# Allegro board RK3588S_Template_LP5D315P232SD10H2_42x42_2750MHz_1R2_V10_20220413YWQ.brd (continued)
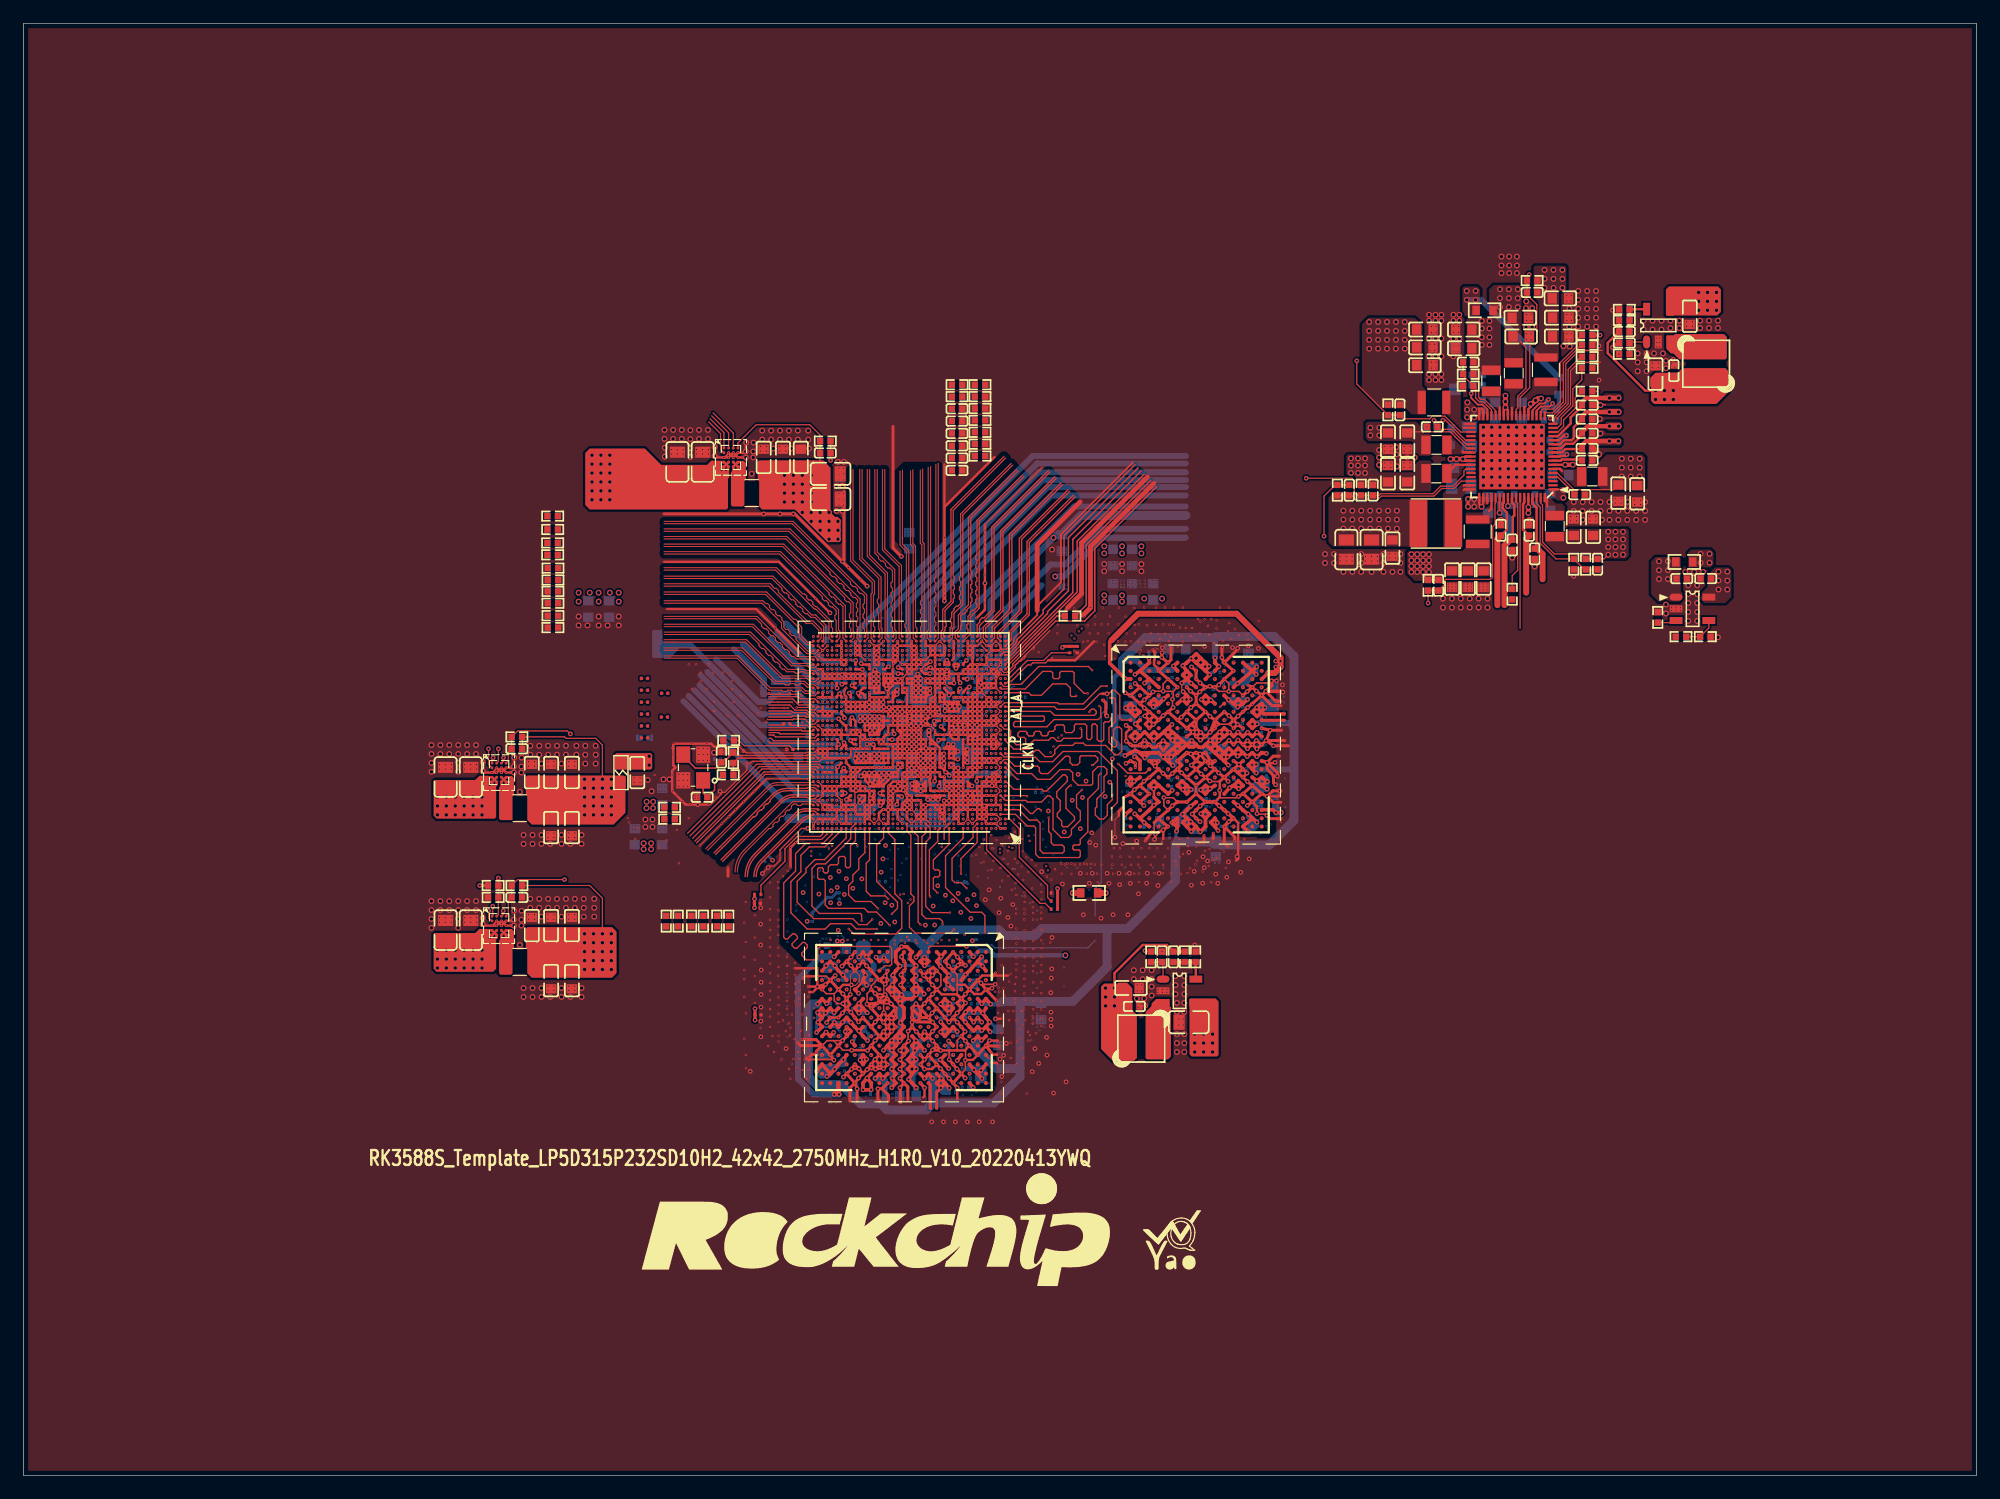
[diagram p0: board, top side]
## Routing (per net, layer and track width the routed paths; a pad name or vN(x,y) marks a point on that pad's centre or on a via; arc(x,y) is an arc through that point) (continued)
84.76,50.56 85.46,49.86 85.46,49.82 ; 75.93,38.78 76.04,38.89 ; 97.3,70.38 v1(97.3,70.31) 97.32,70.29 97.36,70.29 97.43,70.22 ; 97.3,70.38 97.3,70.43 97.25,70.48 ; 102.48,66.86 102.71,66.86 102.78,66.8 ; 69.21,36.73 69.01,36.53 68.82,36.53 68.56,36.79 67.9,36.79 67.86,36.83 ; 102.36,74.09 102.57,74.31 ; 102.36,74.09 102.3,74.03 99.29,74.03 ; 64.57,51 64.41,50.84 ; 64.57,51 64.63,50.95 ; 64.41,50.84 64.53,50.84 ; 87.53,62.15 87.34,62.15 v8(87.3,62.11) 87.21,62.01 ; 87.53,62.15 87.96,62.57 ; 87.53,62.15 87.4,62.01 87.21,62.01 ; v3(86.26,48.07) 86.26,47.97 86.17,47.88 ; v3(86.26,48.07) 86.26,49.97 ; v3(86.26,48.07) 86.36,47.98 86.36,49.99 ; 67.77,36.26 68.34,36.26 68.56,36.04 ; 67.77,36.26 67.77,36.01 v1(67.75,35.99) ; 65.32,50.59 65.32,47.56 v8(65.26,47.5) 65.31,47.45 65.31,39.96 v3(65.24,39.89) 65.17,39.96 65.17,50.43 65.32,50.59 ; 86.17,50.06 86.17,47.88 ; 86.17,50.06 86.26,49.97 ; 64.53,50.84 64.54,50.86 ; 64.53,50.84 64.49,50.81 64.49,50.77 ; 64.54,50.86 64.54,50.91 64.59,50.95 64.63,50.95 ; 63.8,38.4 63.87,38.4 ; 63.87,38.4 63.87,38.39 63.94,38.33 ; 63.87,38.4 63.87,47.41 ; 102.5,71.51 102.34,71.67 ; 102.34,71.67 102.29,71.73 102.26,71.73 ; 102.34,71.67 102.31,71.67 ; 74.92,47.25 74.49,47.25 v1(74.45,47.3) ; 74.92,47.25 74.92,46.94 74.8,46.82 74.8,46.75 ; 74.92,47.25 74.92,47.98 74.84,48.06 74.69,48.06 74.37,48.38 74.37,48.57 v1(74.2,48.74) ; 104.54,68.45 104.54,68.55 ; 104.54,68.55 104.54,68.88 ; v3(100.15,52.22) 100.78,52.85 v1(100.78,52.88) ; v3(100.15,52.22) 100.15,51.75 v1(100.03,51.63) 100.03,51.43 99.95,51.36 ; v3(100.15,52.22) 99.87,52.22 ; 63.94,38.33 64.04,38.23 ; 63.94,38.33 63.94,38.28 ; 64.04,38.23 63.86,38.23 63.85,38.22 ; 84.99,54.61 84.21,55.39 ; 84.99,54.61 85.45,54.14 ; 84.99,54.61 85.04,54.66 84.95,54.75 84.95,54.76 ; 95.03,71.9 96.72,71.9 96.75,71.87 ; 95.03,71.9 94.96,71.97 ; 66.4,42.12 66.4,40.35 ; 66.4,42.12 v3(66.3,42.22) ; 96.11,68.32 95.08,69.35 95.08,69.63 94.91,69.81 ; 96.11,68.32 96.11,68.22 v8(96.07,68.18) ; 97.36,54.18 97.39,54.18 ; 99.17,74.15 99.23,74.09 ; 99.23,74.09 99.29,74.03 ; 92.05,54.12 92.05,53.59 92.05,53.25 92.31,52.99 ; 99.24,60.1 99.13,60.1 ; 99.24,60.1 99.43,60.1 99.61,60.28 99.61,60.52 v1(99.79,60.7) 99.78,60.61 ; 99.24,60.1 98.74,60.61 ; 99.13,60.1 98.74,60.49 98.74,60.61 ; 99.13,60.1 99.03,60.1 v1(98.96,60.03) ; 81.81,54.58 81.81,54.68 ; 81.81,54.68 81.81,55.04 81.65,55.19 81.65,55.21 ; 81.81,54.68 82.93,53.55 82.93,53.46 ; 76.09,38.89 76.04,38.89 ; 99.95,51.36 99.58,51.36 ; 84.9,52.5 84.96,52.5 v3(86.96,50.5) 86.93,50.47 ; 84.9,52.5 84.9,52.59 84.6,52.89 ; 95.16,61.68 95.27,61.57 ; 95.16,61.68 94.99,61.86 93.35,61.86 93.1,62.11 88.66,62.11 ; 102.87,73.9 102.87,74.09 ; 102.87,73.9 102.77,73.99 ; 102.87,73.9 104.01,72.75 ; 102.87,74.09 102.92,74.09 v3(103,74.17) ; 102.87,74.09 102.77,73.99 ; 83.68,52.7 83.78,52.7 86.07,50.42 ; 98.43,61.88 97.84,61.88 97.82,61.89 ; 98.43,61.88 98.62,61.88 ; 68.38,46.21 68.38,45.73 68.44,45.66 69.04,45.66 ; v4(73.58,44.99) 73.52,45.07 ; v8(99.4,62.89) 99.4,62.84 99.44,62.79 99.44,62.7 99.68,62.45 99.93,62.45 ; 67.32,46.23 67.32,46.78 67.69,47.16 69.3,47.16 69.46,47 ; 97.11,72.02 96.86,72.02 ; 97.11,72.02 97.62,72.02 ; 97.11,72.02 96.99,71.9 ; 96.86,72.02 95.02,72.02 ; 96.86,72.02 96.99,71.9 ; 101.51,55.03 v3(101.66,54.88) 101.51,54.72 ; 101.51,55.03 101.51,54.72 ; 101.51,55.03 101.51,56.91 101.94,57.35 102.05,57.35 v1(102.17,57.23) 102.21,57.27 102.53,57.27 102.55,57.24 102.67,57.24 102.68,57.23 ; 86.89,48.21 86.91,48.23 86.93,48.23 ; 86.89,48.21 86.89,47.97 ; 86.89,48.21 86.89,50.35 ; 98.32,72.55 98.31,72.56 98.14,72.56 ; 98.32,72.55 98.69,72.19 ; 98.32,72.55 98.32,72.64 v3(98.27,72.69) ; 103.95,71.91 103.95,72.06 103.6,72.41 ; 84.2,54.64 83.83,54.64 83.33,55.15 83.33,55.46 83.1,55.68 83.1,55.7 ; 84.2,54.64 88.02,50.82 87.95,50.82 ; 84.2,54.64 84.2,54.59 ; 95.92,54.19 95.82,54.3 ; 92.81,63.54 93.15,63.19 v4(93.15,62.92) ; 85.87,37.88 85.87,37.63 ; 85.87,37.63 85.86,37.63 85.73,37.76 85.73,37.82 v3(85.83,37.92) ; 85.87,37.63 85.87,37.24 ; 86.49,71.41 86.7,71.62 ; 86.49,71.41 86.43,71.36 86.42,71.36 ; 86.49,71.41 83.53,68.45 83.52,68.45 84.53,69.46 86.42,71.36 ; 88.1,62.75 88.02,62.75 ; 88.1,62.75 89.19,62.75 89.24,62.8 ; 97.11,57.17 97.11,57.46 96.75,57.82 96.75,58.36 96.88,58.48 97.09,58.48 97.09,58.47 97.1,58.47 97.43,58.14 v1(97.43,57.93) 97.75,57.93 98.16,57.52 98.16,57.26 ; 97.11,57.17 97.07,57.13 ; 79.21,45.86 79.21,45.84 v3(79.11,45.74) ; 97.18,56.18 97.17,56.17 ; 97.18,56.18 97.18,56.09 ; 91.55,63.56 91.48,63.49 89.56,63.49 ; 91.55,63.56 91.48,63.56 ; 89.62,56.84 89.44,56.84 ; 89.62,56.84 v8(89.41,57.05) 89.23,57.05 ; 69.44,56.49 69.21,56.26 69.19,56.26 ; 91.43,62.64 91.55,62.64 ; 91.43,62.64 91.49,62.7 ; 73.5,42.07 73.58,41.99 v1(73.63,41.99) 73.63,41.97 73.57,41.91 73.57,41.15 v1(73.63,41.09) 73.6,41.06 73.6,40.87 ; 73.5,42.07 73.5,40.98 73.6,40.87 ; 82.69,54.88 82.65,54.88 ; 82.69,54.88 82.39,55.17 ; 75.56,46.1 75.56,46 75.51,45.94 ; 97.2,56.72 97.2,56.92 ; 97.2,56.72 97.2,56.43 v8(97.23,56.39) ; 81.11,54.37 81.11,55.68 v3(80.69,56.1) ; 69.89,46.36 69.51,46.36 69.46,46.41 69.46,46.56 ; 97.69,62.54 97.62,62.61 97.62,62.69 ; 97.69,62.54 97.93,62.54 98.04,62.43 98.25,62.43 98.69,62.87 ; 82.65,54.88 82.71,54.81 82.71,54.77 ; 82.65,54.88 82.39,55.14 ; 104.32,69.19 104.32,69.1 104.39,69.03 ; 83.02,40.71 v3(83.15,40.57) 83.15,40.57 ; 83.02,40.71 81.2,40.71 80.68,41.23 80.57,41.23 v1(80.49,41.14) 80.35,41.28 80.02,41.28 v8(79.8,41.5) 79.8,41.77 v4(79.75,41.83) 79.61,41.83 79.27,42.16 79.27,42.29 ; 83.02,40.71 83.12,40.71 83.26,40.57 ; 97.25,70.48 97.09,70.64 97.09,70.94 ; 79.54,42.56 79.54,42.84 79.05,43.33 v1(79.05,43.53) ; 79.54,42.56 79.44,42.56 79.27,42.39 79.27,42.29 ; 83.85,36.01 83.9,36.07 84.69,36.07 85.87,37.24 ; 83.85,36.01 v1(83.74,35.91) 83.73,35.91 83.63,36.01 ; 83.85,36.01 83.63,36.01 ; 75.45,50.11 v8(75.42,50.08) 75.45,50.05 ; 75.45,50.11 75.45,50.05 ; 67.67,51.71 67.41,51.71 v8(67.34,51.64) 67.29,51.59 67.29,51.33 ; 67.67,51.71 68.01,52.05 ; 67.67,51.71 67.29,51.33 ; 75.45,54.6 v8(75.44,54.61) 75.45,54.62 ; 75.45,54.6 75.45,54.62 ; v8(66.68,50.97) 66.7,50.95 66.9,50.95 ; 87.05,50.35 86.93,50.47 ; 87.05,50.35 87.05,47.83 ; 87.05,50.35 87.05,50.52 ; 86.93,50.47 86.93,50.31 ; 101.51,54.72 101.51,53.85 ; 87.58,37.96 87.58,37.95 84.25,34.62 ; v4(97.57,54.7) 97.72,54.55 98,54.55 ; v8(92.56,66.1) 92.41,66.25 v3(92.24,66.25) ; 99.12,55.87 99.2,55.87 v1(99.86,56.52) ; 99.12,55.87 98.04,56.95 98.04,57.11 v1(98.16,57.23) 98.16,57.26 ; 96.15,71.37 91.8,71.37 ; v3(98.03,51.44) 98.15,51.56 ; v3(98.03,51.44) 97.94,51.36 ; 68.56,36.04 68.6,36 68.82,36 ; 88.71,72.69 88.65,72.69 ; 88.71,72.69 88.81,72.79 ; 88.71,72.69 88.9,72.69 88.9,72.69 ; 88.65,72.69 88.74,72.79 ; 88.65,72.69 88.6,72.69 ; 87.05,38.25 87.05,47.83 ; 98.12,71.41 98.33,71.61 98.33,71.79 98.1,72.02 97.62,72.02 ; 98.12,71.41 98.12,71.6 v3(98.05,71.67) ; 85.46,49.75 85.46,49.82 ; 85.46,49.75 85.52,49.81 ; v4(77.47,61.93) 77.75,61.93 v8(77.77,61.9) ; 81.68,42.3 81.79,42.42 ; 81.68,42.3 81.79,42.19 ; 81.79,42.42 81.79,42.19 ; 103.1,72.9 103.6,72.41 ; 103.1,72.9 103.03,72.83 v3(103.03,72.83) ; 103.6,72.41 103.51,72.31 v3(103.51,72.3) ; 91.86,55.91 91.72,56.04 ; 91.86,55.91 91.74,55.91 v8(91.72,55.93) 91.72,56.04 ; v8(70.92,65.56) 70.91,65.56 v4(70.79,65.99) ; 99.4,54.39 99.4,52.94 ; v8(86.32,53.5) 86.28,53.5 86.19,53.41 ; 98.02,67.84 98.02,68.18 98.05,68.22 ; 84.13,68.19 84.13,68 83.98,67.85 83.34,67.85 ; 84.13,68.19 84.13,68.3 87.2,71.37 87.29,71.37 85.55,69.62 85.55,69.55 85.47,69.55 85.07,69.15 85.07,69.12 85.06,69.12 84.13,68.19 ; 71.27,36.03 71.27,35.83 71.13,35.69 70.93,35.69 ; 93.16,70.51 93.05,70.51 ; 93.16,70.51 93.08,70.44 ; 93.16,70.51 93.19,70.51 ; 93.05,70.51 93.05,70.57 93.11,70.63 ; 93.05,70.51 93.12,70.44 93.18,70.44 93.17,70.44 93.08,70.44 ; 67.75,42.61 67.62,42.61 66.95,41.94 66.95,41.71 ; 67.75,42.61 67.8,42.66 v3(67.82,42.66) 67.9,42.66 67.95,42.61 ; 67.75,42.61 67.95,42.61 ; 83.95,39.92 83.9,39.97 83.9,40.34 ; 97.72,53.52 97.56,53.52 ; 97.72,53.52 97.78,53.59 v3(97.79,53.59) ; 97.72,53.52 97.75,53.52 97.88,53.65 97.86,53.65 v3(97.79,53.59) ; 97.56,53.52 97.65,53.62 97.76,53.62 v3(97.79,53.59) ; 100.28,73.27 100.28,73.42 ; 88.74,72.79 88.69,72.79 ; 88.74,72.79 88.81,72.79 ; 97.39,54.18 97.39,54.3 v8(97.41,54.32) ; 100.52,60.95 v8(100.27,60.69) ; 98.15,54.55 v8(98.08,54.55) 98,54.55 ; 98.15,54.55 v4(98.56,54.14) ; 95.02,51.49 94.96,51.49 ; 95.02,51.49 95.02,51.54 94.95,51.6 94.89,51.6 ; 85.45,54.14 86.19,53.41 ; 85.45,54.14 85.48,54.16 85.48,54.27 v3(85.35,54.4) ; 86.89,47.97 86.91,47.95 86.93,47.95 ; 73.6,40.87 73.78,40.7 73.78,40.29 73.85,40.22 74.02,40.22 74.11,40.31 ; 67.48,38.14 67.48,40 ; 67.48,38.14 67.48,38.11 ; 67.48,40 67.5,39.98 ; 67.48,40 67.48,40.44 67.81,40.77 68.07,40.77 ; 69.75,42.06 69.75,42.03 69.56,41.84 ; 69.75,42.06 69.88,42.19 ; 69.75,42.06 69.47,42.06 ; 104.5,69.02 104.5,69.64 ; 104.5,69.02 104.54,68.97 ; 104.5,69.02 104.5,69.01 104.54,68.97 104.54,68.97 ; 81.52,53.8 81.56,53.8 ; 82.32,55.67 82.32,55.68 82.31,55.7 ; 68.29,53.56 68.42,53.56 v8(68.48,53.62) 68.57,53.71 68.57,53.84 ; 68.29,53.56 68.57,53.84 ; 74.11,40.31 74.11,40.05 74.11,40.05 74.11,39.85 74.11,39.85 74.11,39.79 74.02,39.7 ; 89.24,62.8 88.05,62.8 88,62.75 ; 89.24,62.8 89.33,62.89 ; 90.82,71.9 90.55,71.9 ; 90.82,71.9 90.94,72.02 ; 104.39,68.4 v8(104.39,68.25) ; 69.46,47 69.46,46.71 ; 70.29,54.5 v8(70.13,54.34) ; 70.29,54.5 70.29,54.52 ; v8(70.13,54.34) 69.98,54.49 ; 87.58,38 87.58,50.6 ; 87.58,50.6 87.82,50.84 v3(87.82,50.92) 87.85,50.92 87.95,50.82 ; 87.58,50.6 87.58,50.74 86.72,51.6 ; 104.39,67.76 104.39,67.68 104.62,67.45 ; 82.71,36.07 81.8,36.07 ; 82.71,36.07 v3(82.81,35.97) 82.81,35.97 82.91,36.07 ; 82.71,36.07 82.91,36.07 ; 81.8,36.07 81.74,36.01 81.74,36.01 ; 81.8,36.07 81.02,36.07 ; 75.89,39.03 76.04,38.89 ; 75.89,39.03 75.8,39.03 ; 83.71,53.61 82.35,54.97 ; 83.71,53.61 84.87,52.45 ; 83.71,53.61 83.71,53.53 84.8,52.44 ; 82.35,54.97 82.35,55.2 82.35,55.2 82.35,55.34 ; 104.48,70.22 v4(104.72,69.99) 104.64,69.99 104.48,69.83 ; 104.48,70.22 104.48,69.83 ; 79.43,62.02 79.49,62.02 79.77,62.3 79.84,62.3 79.84,62.35 79.89,62.35 ; 69.88,42.4 69.93,42.35 70.05,42.35 ; 69.88,42.4 69.88,42.43 69.74,42.57 69.71,42.57 69.6,42.67 ; 69.88,42.4 69.88,42.19 ; 68.3,55.65 68.3,55.65 ; 70.05,42.35 70.05,42.35 70.04,42.35 69.88,42.19 ; 101.01,57.38 100.97,57.34 100.97,55.83 ; 101.01,57.38 101.18,57.55 ; 101.01,57.38 101.01,57.52 100.97,57.55 ; 67.18,52.45 67.33,52.6 ; 67.18,52.45 67.06,52.33 ; 67.33,52.6 67.69,52.96 ; 66.4,40.35 v3(66.31,40.25) ; 84.2,54.59 87.03,51.75 ; 84.2,54.59 v3(84.2,54.5) ; 66.45,37.51 66.84,37.51 ; 100.97,61.76 100.97,61.7 ; 67.27,53.59 67.32,53.65 ; 67.27,53.59 67.4,53.59 ; v3(96.77,72.69) 96.91,72.55 ; v3(96.77,72.69) 96.87,72.79 ; v3(96.77,72.69) 96.67,72.79 ; v3(96.89,69.02) 96.83,68.96 96.83,68.78 97.02,68.59 ; v3(96.89,69.02) 96.96,69.02 97.04,68.95 ; v3(96.89,69.02) 96.89,69.05 96.82,69.12 96.73,69.12 ; 93.93,73.5 94.14,73.5 ; 93.93,73.5 87.44,73.5 ; 93.93,73.5 94.04,73.39 ; 94.14,73.5 100.2,73.5 ; 86.07,50.42 86.36,50.12 86.36,49.99 ; 86.65,52.95 87.02,52.58 87.25,52.58 88.47,51.36 88.62,51.36 ; 86.65,52.95 86.19,53.41 ; 87.9,52.9 88.34,52.46 88.38,52.46 88.38,52.42 88.65,52.15 88.66,52.15 88.67,52.14 89.02,52.14 89.03,52.15 ; 87.9,52.9 86.11,54.69 86.11,54.76 85.96,54.91 85.89,54.91 84.31,56.49 ; 87.9,52.9 87.84,52.96 87.84,53 ; 84.6,52.89 84.6,52.96 84.57,52.99 ; 88.41,72.69 88.48,72.69 ; 88.48,72.69 88.55,72.69 ; 88.48,72.69 88.57,72.79 ; 72.94,41.04 72.92,41.02 72.92,40.82 73.22,40.52 73.22,40.36 73.11,40.24 73.08,40.24 ; 88.94,56.58 88.92,56.55 v8(88.92,56.5) ; 88.94,56.58 88.85,56.58 87.88,57.54 87.88,57.73 87.14,58.47 83.73,58.47 83.56,58.64 83.4,58.64 83.35,58.69 83.33,58.69 ; 86.93,48.23 86.93,48.13 v3(86.97,48.09) 86.93,48.05 86.93,47.95 ; 86.93,48.23 86.93,50.31 ; 75.51,45.94 75.51,45.9 75.43,45.82 75.2,45.82 ; 83.9,40.34 83.9,40.74 83.8,40.84 ; 103.37,69.08 103.37,68.77 ; 103.37,68.77 103.32,68.72 103.32,68.64 103.3,68.63 103.3,68.47 103.1,68.26 103.1,67.94 103.17,67.87 ; 103.37,68.77 v3(103.38,68.78) ; 82.71,54.77 82.71,54.72 ; 68.57,53.84 69.01,54.27 ; 97.04,68.95 97.04,69.18 ; 94.96,71.97 95.02,72.02 ; 94.96,71.97 94.91,72.02 ; 63.53,36.96 63.21,37.27 ; 67.5,39.98 v3(67.56,39.93) 67.5,39.87 ; 67.5,39.98 67.5,39.87 ; 67.48,38.11 67.5,38.13 67.5,39.87 ; 104.48,68.54 104.49,68.55 104.49,68.62 104.48,68.64 ; 104.48,68.54 104.48,68.64 ; 66.27,50.32 65.94,50.32 v8(65.91,50.29) 65.95,50.25 ; 66.27,50.32 66.54,50.59 v8(66.55,50.59) ; v1(95.74,57.24) 95.78,57.24 96.05,56.98 ; 69.04,45.66 69.04,45.66 69.2,45.5 ; 86.26,49.97 86.26,50.04 86.14,50.16 ; 73.63,39.7 73.55,39.63 73.55,39.56 ; 73.63,39.7 74.02,39.7 ; 73.63,39.7 73.62,39.7 73.5,39.58 73.55,39.53 ; 73.55,39.56 v1(73.52,39.56) 73.46,39.63 73.09,39.63 72.91,39.81 72.91,40.05 73.08,40.21 73.08,40.24 ; 73.55,39.56 73.55,39.53 ; 81.56,53.8 81.6,53.8 ; 97.09,70.94 97,70.94 96.69,70.63 93.11,70.63 ; 89.29,53.23 89.39,53.34 89.5,53.23 ; 89.29,53.23 88.51,53.23 ; 89.29,53.23 89.5,53.23 ; 97.62,72.02 v3(97.53,71.93) ; 87.11,73.39 86.81,73.39 ; 87.11,73.39 87.12,73.41 ; 104.48,71.05 104.48,71.12 ; 79.27,42.29 78.68,42.29 v8(78.54,42.16) ; 71.12,45.65 70.82,45.65 ; 71.12,45.65 71.02,45.75 ; 88.79,51.36 91.65,51.36 ; 88.79,51.36 88.62,51.36 ; v8(88.55,62) 88.63,62.08 ; 88.63,62.08 88.66,62.11 ; v3(91.73,51.44) 91.65,51.36 ; v3(91.73,51.44) 91.78,51.49 94.96,51.49 ; v3(91.73,51.44) 91.82,51.36 ; 69.09,56.04 v3(69.09,55.7) ; 95.82,54.3 95.82,54.24 v3(95.84,54.22) ; 94.99,72.79 96.67,72.79 ; 86.72,51.6 v1(86.99,51.6) ; 86.72,51.6 84.96,53.35 84.96,53.59 84.33,54.23 84.09,54.23 83.3,55.01 83.3,55.11 83.31,55.12 ; 63.87,51.16 67.69,54.98 67.7,54.98 ; 63.87,51.16 63.84,51.12 ; 63.87,51.16 63.87,47.41 ; 64.49,50.77 64.5,50.77 ; 64.49,50.77 v3(64.49,50.71) ; v1(74.2,48.74) 74.15,48.69 ; 77.16,38.09 77.49,38.09 77.59,37.99 ; 77.16,38.09 77.15,38.09 76.99,37.93 ; 77.16,38.09 v1(77,37.93) 76.99,37.93 ; 70.82,45.65 70.77,45.65 ; 63.94,38.22 63.85,38.22 ; 63.94,38.22 63.94,38.28 ; 63.94,38.22 63.94,37.73 64,37.67 ; 63.85,38.22 63.8,38.17 ; 96.49,55.12 96.73,55.36 ; 94.8,53.59 94.96,53.76 ; 94.8,53.59 95.8,53.59 ; 104.05,68.37 v4(103.83,68.37) 103.84,68.37 103.84,68.38 104.04,68.38 104.05,68.37 ; 104.05,68.37 104.28,68.37 ; 104.48,71.28 104.48,71.12 ; 104.48,71.28 104.48,71.48 ; 104.5,69.64 v8(104.51,69.65) 104.54,69.62 104.54,68.97 ; 69.6,42.93 69.6,43.16 69.98,43.54 70,43.54 ; 69.6,42.93 69.6,42.67 ; v3(78.69,70.1) 78.59,70 78.59,69.78 78.57,69.77 78.57,69.42 v8(78.69,69.3) ; v3(70.29,56.48) 70.29,56.48 70.29,54.81 ; 89.63,63.59 89.63,63.57 ; 84.2,55.85 84.54,55.51 85.06,54.98 85.06,54.98 85.32,54.72 85.32,54.59 ; 73.08,40.24 73.02,40.3 73.02,40.37 v3(73.01,40.38) ; 92.31,52.99 95.14,52.99 ; v3(83.49,69.3) 83.49,69.32 ; 83.49,69.32 83.23,69.06 82.53,69.06 ; v8(96.13,56.72) v4(96.45,56.72) 96.52,56.72 96.73,56.93 ; v8(96.13,56.72) 96.08,56.77 96.08,56.82 96.05,56.86 96.05,56.98 ; 67.86,36.83 v4(67.86,36.97) ; 66.67,50.72 66.9,50.95 ; 66.9,50.95 67.29,51.33 ; 86.17,47.88 86.17,39.24 v3(86.28,39.13) ; 68.75,56.04 68.71,56.08 ; 86.93,47.95 87.05,47.83 ; v3(82.29,69.3) 82.53,69.06 ; 67.82,53.09 67.69,52.96 ; 67.92,43.25 v3(67.82,43.35) 67.73,43.25 ; 67.92,43.25 67.73,43.25 ; 102.68,57.23 102.69,57.24 102.92,57.24 103.08,57.41 103.08,57.66 103.11,57.69 103.11,57.77 103.14,57.8 103.14,57.81 ; 97.07,57.13 97.2,57 97.2,56.92 ; 97.07,57.13 96.93,57.13 96.73,56.93 ; 96.44,60.29 96.52,60.38 96.52,60.88 ; 84.25,34.62 84.16,34.53 v3(84.12,34.53) ; 93.11,70.63 93.03,70.63 92.96,70.55 92.96,70.5 93.02,70.44 ; v3(63.8,38.34) 63.86,38.28 63.94,38.28 ; 94.5,59.69 94.39,59.79 94.19,59.99 ; 94.5,59.69 94.26,59.69 v3(94.17,59.77) 94.19,59.79 94.19,59.99 ; v3(63.8,47.49) 63.75,47.54 63.75,51.03 63.84,51.12 ; v3(63.8,47.49) 63.87,47.41 ; 76.13,48.61 v8(76.11,48.59) ; 77.52,38.57 77.49,38.6 ; 77.49,38.6 77.3,38.6 77.3,38.81 77.11,39 77.07,39.04 76.54,39.57 76.39,39.57 76.03,39.57 75.95,39.64 ; 77.49,38.6 77.55,38.6 77.59,38.64 ; 96.97,71.65 96.97,71.82 96.89,71.9 96.99,71.9 ; 96.97,71.65 96.75,71.87 ; 95.14,52.99 v3(95.27,52.86) ; 100.34,64.21 100.72,63.82 100.72,63.65 100.7,63.62 ; 98.87,72 98.69,72.19 ; 98.87,72 98.87,71.46 ; 98.87,72 98.87,72.05 99,72.19 ; 98.69,72.19 99,72.19 ; v1(81.22,49.63) 81,49.63 80.65,49.27 v1(80.65,49.22) ; 91.65,51.36 91.82,51.36 ; 84.8,52.44 84.85,52.44 84.87,52.45 ; 104.62,67.26 104.62,67.02 v1(104.56,66.99) ; 104.62,67.26 104.62,67.32 ; 67.06,52.33 66.69,51.96 ; 66.69,51.96 66.55,51.82 ; 66.69,51.96 66.69,51.75 v8(66.62,51.69) ; 99,72.19 99,72.29 v3(98.84,72.46) ; 93.08,70.44 93.02,70.44 ; 96.95,61.9 97.05,62.01 97.71,62.01 97.82,61.89 ; 89.33,62.89 89.39,62.96 92.23,62.96 92.37,62.81 92.81,62.81 92.96,62.96 v4(93.15,62.92) ; 89.33,62.89 92.19,62.89 92.33,62.75 ; v4(72.45,60.76) 72.31,60.89 72.31,61.11 72.34,61.14 72.34,61.79 72.31,61.81 72.31,61.87 ; 104.18,53.93 104.14,53.89 104.14,53.88 100.97,50.71 v3(98.05,50.71) 95.3,50.71 v3(95.3,50.7) 95.29,50.71 91.83,50.71 91.82,50.7 v3(91.79,50.7) 88.43,50.7 88.36,50.76 88.26,50.76 ; 104.18,53.93 104.18,54.25 ; 83.97,53.42 83.92,53.47 ; 83.97,53.42 84.08,53.42 84.11,53.45 ; 83.92,53.47 82.71,54.68 82.71,54.72 ; 102.18,64.18 101.97,64.38 101.53,64.38 ; 85.53,49.94 85.63,49.84 85.63,49.72 ; 73.55,39.53 73.6,39.58 74.01,39.58 ; 70.82,35.6 v4(70.71,35.49) ; 70.82,35.6 70.91,35.69 70.93,35.69 70.93,35.69 ; v4(70.71,35.49) 70.57,35.53 70.57,35.53 ; 93.94,53.89 v1(93.94,54) ; 96.73,69.12 96.8,69.12 96.84,69.16 96.95,69.16 96.98,69.13 97.04,69.18 ; 101.33,73.5 100.36,73.5 ; 82.39,55.14 82.39,55.17 ; 82.39,55.14 82.39,55.01 ; 101.18,57.55 100.97,57.55 ; v8(80.01,62.36) 80.03,62.38 79.99,62.6 ; 87.05,50.52 84.57,52.99 ; 94.89,51.6 88.73,51.6 88.44,51.6 86.53,53.52 86.2,53.85 86.06,53.85 ; 94.89,51.6 94.93,51.56 ; 90.94,72.02 90.67,72.02 90.55,71.9 ; v4(67.55,56.02) 67.55,56.02 67.63,56.1 v3(67.89,56.1) ; 104.58,72.31 105.62,72.31 105.81,72.5 v4(105.81,72.63) ; 104.58,72.31 104.45,72.31 ; 104.58,72.31 104.52,72.25 ; 82.71,55.69 82.74,55.72 82.79,55.72 82.8,55.73 ; 104.62,67.32 104.62,67.38 ; 87.95,50.82 88,50.76 ; 75.45,54.62 75.45,55.8 75.51,55.86 75.51,49.58 75.45,49.53 ; 74.02,39.7 74.02,39.59 74.01,39.58 ; 98.16,57.26 98.14,57.28 ; 69.98,54.49 70.29,54.81 ; 69.98,54.49 70.01,54.52 70.29,54.52 ; 69.98,54.49 69.98,54.02 ; 70.29,54.81 70.29,54.52 ; v3(95.27,52.86) 95.34,52.79 ; 104.54,68.97 104.54,68.88 ; 95.02,72.02 94.91,72.02 ; 76.21,47.36 76.13,47.44 ; 76.21,47.36 v4(76.26,47.36) ; 102.26,71.73 102.12,71.73 102.05,71.65 102.05,71.61 ; 102.26,71.73 102.31,71.67 ; 88.6,72.69 88.69,72.79 ; 88.6,72.69 88.55,72.69 ; 88.69,72.79 88.64,72.79 ; 91.8,71.37 91.58,71.37 ; 82.55,35.26 82.47,35.26 ; 96.99,71.9 v3(96.97,71.89) 96.95,71.87 96.75,71.87 ; 104.38,56.05 104.51,56.05 104.64,55.92 ; 104.38,56.05 104.38,56.25 104.24,56.4 104.24,56.47 ; 95.42,70.05 95.65,70.05 v3(95.69,70.1) ; 66.73,35.55 v3(66.75,35.57) 66.76,35.56 66.76,35.44 ; 82.35,55.34 82.35,55.65 ; 65.49,37.73 65.03,38.2 ; v3(68.69,56.1) 68.85,56.26 69.19,56.26 ; 88.55,72.69 88.64,72.79 ; 89.23,57.05 89.23,57.12 87.38,58.98 84.29,58.98 84.12,59.15 83.35,59.15 v3(83.09,58.9) ; 89.23,57.05 89.44,56.84 ; 69.19,56.26 69.01,56.08 ; 104.48,71.55 104.48,71.48 ; 91.58,71.37 90.99,71.37 v3(90.93,71.3) ; 98,54.55 v8(97.78,54.32) ; 100.7,63.62 v1(100.58,63.51) ; 66.01,51.28 66.01,51.1 v8(65.94,51.03) ; 66.01,51.28 65.87,51.14 ; 66.01,51.28 66.39,51.66 ; v8(66.62,51.69) 66.55,51.77 66.55,51.82 ; v8(66.62,51.69) 66.6,51.66 66.39,51.66 ; 104.18,54.25 104.18,54.36 104.26,54.45 v3(104.32,54.39) ; 104.18,54.25 v3(104.32,54.39) ; v3(94.92,74.14) 94.96,74.09 ; 94.96,74.09 95.02,74.03 97.33,74.03 97.39,74.09 ; 64.72,38.51 64.72,38.48 65,38.2 65.03,38.2 ; 64.72,38.51 65.03,38.2 ; 76.13,47.44 76.06,47.51 76.06,47.61 ; 85.98,53.85 85.6,54.23 ; 76.06,47.61 76.06,55.88 ; 77.59,38.64 v1(77.69,38.74) 77.68,38.74 ; 91.55,62.64 91.49,62.7 ; 91.55,62.64 92.88,62.64 ; 100.36,73.5 100.28,73.42 ; 100.36,73.5 100.2,73.5 ; 63.79,37.45 65.8,35.44 66.76,35.44 ; 86.14,50.16 82.18,54.13 ; 75.45,50.05 75.45,49.53 ; 82.91,36.07 83.57,36.07 83.63,36.01 ; 103.31,67.81 103.4,67.9 103.47,67.9 103.61,68.04 103.61,68.11 103.81,68.32 ; 103.31,67.81 103.25,67.87 103.17,67.87 ; 103.31,67.81 103.33,67.79 103.33,67.71 ; 104.62,67.45 104.62,67.38 ; 104.62,67.45 104.62,67.52 ; 97.82,61.89 98.53,61.89 ; 80.37,35.82 80.37,35.92 80.61,36.17 80.92,36.17 81.02,36.07 ; 80.37,35.82 80.37,35.74 80.41,35.69 80.41,35.55 v1(80.47,35.49) ; 90.55,71.9 90.01,71.9 90,71.92 ; 97.39,74.09 97.27,74.09 v4(97.15,74.21) ; 69.56,41.84 v8(69.56,41.97) 69.47,42.06 ; 83.33,40.39 83.33,40.49 83.26,40.57 ; 83.33,40.39 83.15,40.57 ; 104.28,68.37 v8(104.39,68.25) ; 86.93,50.31 86.89,50.35 ; 104.45,72.31 104.01,72.75 ; 66.95,41.71 v3(67.04,41.8) ; 103.33,67.71 103.17,67.87 ; 82.55,62.5 82.36,62.32 81.68,62.32 v8(81.64,62.27) ; 72.48,46.36 73.51,46.36 v8(73.58,46.43) ; 72.48,46.36 71.89,46.36 v8(71.65,46.59) ; 101.83,71.4 101.83,71.25 v3(101.71,71.13) 101.21,71.13 v1(100.93,70.85) 100.81,70.97 100.81,71.13 ; 101.83,71.4 102.05,71.61 ; 85.25,51.98 86.89,50.35 ; 85.25,51.98 85.33,51.98 ; v4(80.4,62.5) 80.4,62.52 80.33,62.62 v8(80.37,62.81) ; 100.2,73.5 100.28,73.42 ; 98.18,72.79 v3(98.27,72.69) ; 98.18,72.79 96.87,72.79 ; 98.56,53.51 97.96,52.91 97.54,52.91 v3(97.52,52.89) 97.42,52.79 95.34,52.79 ; 98.56,53.51 98.56,53.89 98.32,54.13 98.32,54.35 ; 93.43,62.53 93.32,62.64 93.15,62.64 ; 82.39,55.01 82.41,55.01 v3(82.7,54.72) 82.71,54.72 ; 91.49,62.7 v8(91.48,62.71) ; v8(70.53,61.98) 70.53,61.53 v3(70.29,61.3) 70.29,61.35 ; 63.14,37.34 63.14,51.18 65.99,54.03 67.3,55.34 ; 68.82,36 69.25,36 69.42,36.17 69.71,36.17 69.88,36.01 ; 80.12,46.42 80.35,46.65 ; 89.03,52.15 89.05,52.14 89.86,52.14 ; 89.03,52.15 v3(88.97,52.21) ; 96.87,72.79 96.67,72.79 ; 93.15,62.64 92.88,62.64 ; 93.15,62.64 v4(93.15,62.92) ; 92.88,62.64 v4(93.15,62.92) ; 65.87,51.14 65.87,51.1 v8(65.94,51.03) ; 76.25,56.18 76.25,56.06 76.08,55.88 76.06,55.88 ; 97.43,70.22 97.44,70.21 97.44,69.67 97.04,69.27 97.04,69.18 ; 64.6,50.37 64.49,50.48 ; v3(81.89,66.9) 81.89,66.89 v3(82.29,66.5) ; 86.81,73.39 86.73,73.32 ; 88.64,72.79 88.57,72.79 ; 66.55,51.82 66.39,51.66 ; 87.26,73.32 87.39,73.32 ; 87.26,73.32 86.73,73.32 ; 99.37,62.94 98.81,62.94 98.79,62.95 ; 103.77,57.98 103.18,57.98 103.1,57.9 v4(103.1,57.84) ; v4(80.85,70.94) 80.98,70.82 80.98,70.22 v3(81.09,70.1) v3(81.09,69.7) ; 96.73,56.93 96.73,56.93 96.69,56.89 96.28,56.89 v8(96.2,56.98) 96.05,56.98 ; 86.11,37.75 85.99,37.75 ; v3(89.83,52.19) 89.87,52.15 89.86,52.14 ; 68.23,55.5 68.23,55.26 67.95,54.98 67.7,54.98 ; 69.46,46.71 69.46,46.56 ; 78.84,62.1 78.84,62.15 78.56,62.43 ; 100.88,60.95 101.11,60.95 v3(101.19,60.86) 101.4,60.65 v1(101.42,60.65) 102.03,60.04 v1(102.13,60.04) ; 94.96,51.49 v3(94.9,51.43) ; v3(75.49,57.7) 75.42,57.63 75.06,57.63 75.01,57.58 ; 99.42,61.89 99.29,61.89 ; 99.29,61.89 98.57,61.89 ; 99.29,61.89 99.25,61.85 ; v8(69.53,72.07) 69.53,72.2 v8(69.42,72.31) ; 69.2,45.5 69.37,45.5 ; v1(99.74,61.66) 99.53,61.88 98.62,61.88 ; 69.37,45.5 v1(69.55,45.68) 69.58,45.65 70.77,45.65 ; 83.26,40.57 83.15,40.57 ; 102.05,71.61 v3(102.12,71.69) 102.13,71.67 102.31,71.67 ; 100.97,57.55 v3(100.95,57.58) ; 89.63,63.57 89.56,63.49 ; v3(72.69,57.3) 72.69,57.25 73.05,56.9 v3(73.49,56.9) ; 104.01,72.75 104.01,72.91 104.01,72.91 ; v8(87.92,62.75) 87.71,62.96 84.12,62.96 84.06,62.9 84.06,62.9 83.73,62.9 83.72,62.9 83.49,62.9 v3(83.09,63.3) 83.33,63.54 84.02,63.54 84.07,63.49 89.56,63.49 ; v4(71.56,37.42) 71.68,37.54 71.68,37.81 71.87,38.01 71.89,38.01 71.98,38.1 ; 82.93,53.38 83.6,52.7
  L3-S1 w0.102: 83.34,67.85 83.23,67.85 83.09,67.99 83.09,68.09 ; v8(99.4,62.89) 99.37,62.92 99.37,62.94 99.36,62.95 98.77,62.95 98.69,62.87 98.68,62.88 ; 90.18,71.3 90.24,71.35 90.65,71.35 ; 83.29,68.28 83.12,68.45 81.94,68.45 ; 83.29,68.28 83.46,68.45 ; 83.29,68.28 83.29,68.27 ; v4(69.14,56.08) 69.12,56.1 v3(68.69,56.1) ; v8(78.11,60.34) 78.28,60.52 78.33,60.47 78.55,60.47 78.57,60.49 78.87,60.49 78.89,60.47 78.95,60.47 79,60.42 79.2,60.42 ; v4(70.36,66.31) 70.36,66.34 70.08,66.62 70.08,67.02 v3(70.14,67.07) 70.44,67.38 70.44,67.95 v3(70.29,68.1) ; v3(91.53,52.21) 91.54,52.18 ; v3(91.53,52.21) 91.58,52.26 91.58,52.38 91.77,52.19 v3(94.64,52.19) ; v3(91.53,52.21) 91.52,52.21 91.46,52.27 v3(91.22,52.27) ; 91.54,52.18 91.58,52.14 95.25,52.14 ; 91.54,52.18 91.51,52.15 89.87,52.15 ; v8(78.49,64.74) 78.49,64.62 77.97,64.1 v3(77.49,64.1) ; v4(74.52,70.28) 74.66,70.41 v1(74.66,70.9) ; v4(74.52,70.28) 74.69,70.11 v3(74.69,69.7) ; v4(74.52,70.28) 74.29,70.05 v3(74.29,69.7) ; v3(89.79,70.48) 89.5,70.78 v4(89.41,70.78) ; v1(82.23,56.13) 82.6,56.5 v3(82.69,56.5) ; v1(69.72,48.87) 69.72,48.91 70.14,49.33 v1(70.14,49.66) 70.13,49.66 v1(69.53,50.26) ; 102.54,61.66 102.54,62.18 ; 102.54,61.66 102.62,61.74 v8(102.62,61.98) 102.62,62.1 102.54,62.18 ; 102.54,61.66 102.54,61.09 102.43,60.99 102.17,60.99 101.83,60.65 v1(101.42,60.65) ; 102.54,62.18 102.27,62.45 ; 88.26,50.76 88.02,50.76 ; 88.02,50.76 88,50.76 ; 88.02,50.76 87.03,51.75 86.99,51.71 86.99,51.7 ; v4(80.35,46.76) 80.35,46.28 v3(80.42,46.21) ; v3(82.69,56.5) 82.69,56.51 v3(82.3,56.9) ; v3(82.69,56.5) 82.7,56.49 84.4,56.49 84.64,56.24 ; 72.45,60.88 v4(72.45,60.76) ; v1(105.51,70.68) 105.82,70.37 105.92,70.37 106.12,70.17 106.12,69.31 107.06,68.38 v1(107.06,67.91) ; 90.65,71.35 90.88,71.35 v3(90.93,71.3) 90.87,71.25 v3(90.55,71.25) ; 90.65,71.35 v3(90.55,71.25) ; 83.11,58.9 v3(83.09,58.9) ; v3(82.69,66.5) v3(82.29,66.5) 82.29,66.51 v3(81.89,66.9) v3(82.29,67.3) v3(82.29,67.7) v3(81.89,68.1) 81.87,68.08 v1(81.87,67.36) ; 79.68,72.57 v8(79.73,72.52) ; 79.68,72.57 79.68,72.95 ; 79.68,72.57 79.68,72.19 79.73,72.24 v8(79.73,72.52) ; v8(79.73,72.52) v8(79.73,72.9) ; 83.09,68.09 83.21,67.97 83.21,68.19 83.29,68.27 ; 83.09,68.09 v3(83.09,68.1) 83.26,68.27 83.29,68.27 ; v3(81.89,58.5) 82.34,58.95 82.65,58.95 ; v8(72.26,71.91) 72.21,71.86 v4(72.21,71.6) ; 57.66,54.48 v8(57.91,54.48) ; 103.34,57.21 103.33,57.2 ; v8(67.18,59.31) 67.34,59.31 v4(67.51,59.49) ; v3(83.09,58.9) 83.04,58.95 v1(82.76,58.95) 82.65,58.95 ; v3(83.09,58.9) 83.3,58.69 83.33,58.69 83.33,58.66 v3(83.49,58.5) 83.52,58.47 83.73,58.47 ; v3(83.09,58.9) 83.09,58.96 ; v3(82.3,55.7) v3(81.49,56.5) v3(81.09,56.9) ; v3(90.55,71.25) 89.79,71.25 ; 84.34,55.26 84.24,55.26 84.21,55.28 84.21,55.51 84.23,55.54 84.2,55.57 84.2,55.85 84.11,55.93 83.34,55.93 83.1,55.7 ; 98.56,62.73 98.56,62.74 98.68,62.87 98.68,62.88 ; v4(67.97,50.26) 67.73,50.02 v8(67.71,50.02) 67.71,49.94 v1(67.97,49.68) 68.19,49.91 68.19,50.03 v4(67.97,50.26) ; v4(67.97,50.26) 67.97,50.53 v8(67.92,50.58) ; v1(73.03,70.15) 73.03,69.76 v3(73.09,69.7) ; 68.71,56.08 v3(68.69,56.1) ; v3(68.69,56.1) 68.29,56.1 ; v3(68.69,56.1) 68.62,56.02 v4(68.31,56.02) ; 72.57,62.02 72.62,62.07 73.88,62.07 v4(74.04,62.23) ; 79.68,72.95 79.68,73.71 ; 79.68,72.95 v8(79.73,72.9) ; v1(79.6,64.16) 79.29,64.16 v4(79.18,64.05) ; 89.39,53.34 v8(89.35,53.38) ; v8(76.11,47.05) 76.26,47.2 v4(76.26,47.36) ; v8(79.73,72.9) v8(79.73,73.28) v8(79.73,73.66) 79.68,73.71 ; v8(61.42,74.73) v4(61.04,74.73) 60.91,74.85 60.11,74.85 ; v1(100.58,63.51) 101.38,63.51 v1(101.39,63.51) ; v3(68.29,55.7) 68.23,55.63 68.23,55.5 ; v3(68.29,55.7) 68.29,56.1 ; v3(68.29,55.7) 68.29,55.66 68.3,55.65 ; v3(82.29,69.3) 82.29,69.3 v3(82.69,69.7) ; v1(69.99,39.53) 70.34,39.17 70.34,38.59 70.34,38.59 v3(70.34,38.34) 70.3,38.37 68.96,38.37 v1(68.62,38.71) ; v8(81.64,62.27) 82.02,61.89 v8(82.04,61.89) 81.94,61.79 81.94,61.52 v4(81.81,61.39) ; v3(77.89,70.1) 77.59,70.1 v4(77.55,70.05) ; v3(77.89,70.1) v3(77.89,69.3) ; v3(77.89,70.1) 77.89,70.19 v8(77.72,70.36) 77.55,70.18 v4(77.55,70.05) ; v8(78.89,46.51) 78.8,46.42 ; 102.27,62.45 100.03,62.45 99.99,62.49 ; 102.27,62.45 102.27,62.45 99.93,62.45 ; 72.65,65.39 72.6,65.39 v4(72.58,65.41) 72.57,65.41 72.52,65.35 72.46,65.5 ; v4(77.55,70.05) 77.53,70.05 77.18,69.7 v7(76.69,69.7) ; 82.65,58.95 v3(82.29,59.3) 82.05,59.3 81.66,59.69 ; 88.34,53.4 88.34,53.52 v8(88.33,53.53) ; v3(88.67,52.29) 88.67,52.38 88.58,52.46 ; 79.68,73.71 79.68,74.05 79.64,74.09 ; 98.68,62.88 98.67,62.89 v8(98.65,62.89) ; v8(87.3,62.11) 87.05,62.36 v4(86.83,62.36) ; 77.58,46.42 v8(77.51,46.49) ; 103.69,56.82 103.84,56.67 v4(103.84,56.51) ; v8(73.28,58.93) 73.15,59.05 73.15,59.44 v8(72.9,59.69) ; 66.72,55.32 67.06,55.65 67.06,55.74 67.45,56.13 67.86,56.13 v3(67.89,56.1) 68.29,56.1 ; v3(82.69,69.7) 82.69,69.81 82.7,69.82 82.57,69.82 v3(82.29,70.1) ; v3(82.69,69.7) 82.85,69.86 83.21,69.86 ; v1(76.4,60.05) 76.4,59.61 76.33,59.54 76.33,58.64 76.33,58.64 76.33,58.13 v3(75.89,57.7) ; v3(82.29,70.1) v3(82.69,70.5) v3(82.29,70.1) ; 71.28,67.4 70.92,67.05 70.92,66.44 70.79,66.31 v4(70.79,65.99) ; 75.01,57.58 74.9,57.58 74.65,57.84 ; 69.75,55.84 v7(69.49,56.1) v3(69.49,56.48) ; 86.99,51.7 v3(84.2,54.5) ; 86.99,51.7 v1(86.99,51.6) 87.6,50.99 87.6,50.62 ; v8(66.55,50.59) 66.55,50.6 66.67,50.72 66.67,50.97 v8(66.68,50.97) ; 88.58,52.46 88.58,52.46 88.38,52.46 ; 88.58,52.46 88.58,52.22 88.66,52.15 ; v1(99.93,63.53) 100.2,63.8 v3(100.2,63.86) ; v4(67.51,69.01) 67.31,69.22 67.31,69.28 62.63,73.96 v8(61.42,73.96) v4(61.04,73.96) 59.22,73.96 ; v8(88.55,62) 88.52,61.97 88.36,61.97 ; v8(80.49,65.09) 80.23,65.35 80.18,65.35 80.16,65.32 ; 76.25,56.29 76.25,56.18 ; v8(79.31,51.14) 79.48,50.97 v8(79.53,50.97) ; 75.51,55.86 75.49,55.87 v3(75.49,56.5) ; 57.36,65.3 59.64,65.3 ; v4(103.84,56.51) 104,56.66 v8(104,56.81) ; v4(103.84,56.51) 103.89,56.47 104.24,56.47 v8(104.24,56.79) 104.13,56.89 103.62,56.89 ; v8(80.24,62.12) 80.24,61.87 80.41,61.7 v3(81.09,61.7) ; v3(71.89,69.7) v3(71.49,70.1) ; 57.36,67.64 60.27,67.64 ; v3(70.29,69.7) 69.98,69.7 v4(69.93,69.65) 69.89,69.61 v3(69.89,69.3) ; v3(55.43,59.87) 55.3,59.74 ; 86.49,74.42 84.85,72.78 84.85,72.25 ; 57.06,55.55 v4(57.61,55.55) 58.62,55.55 ; 100.56,63.53 100.23,63.86 v3(100.2,63.86) ; v3(60.43,68.6) 60.95,68.6 63.47,66.09 v3(63.58,66.09) ; v3(100.2,63.86) 100.34,64 100.34,64.67 v4(100.59,64.93) ; v7(70.69,68.5) 70.76,68.56 70.83,68.56 v4(70.89,68.5) ; v3(61.47,61.82) 61.23,61.82 60.65,62.41 59.96,62.41 59.64,62.73 59.64,62.92 59.55,62.92 59.47,62.99 55.91,62.99 ; v4(77.05,66.56) 77.07,66.58 v8(77.07,67.06) 77.06,67.06 v8(77.06,67.31) 77.06,67.58 v4(77.17,67.69) ; 67.3,55.34 67.49,55.53 v3(67.49,55.7) ; 71.27,60.8 v4(71.24,60.77) ; v1(76.93,42.72) 76.53,42.32 v8(76,42.32) ; v8(78.1,73.15) 78.05,73.1 v8(78.05,72.82) ; v8(70.89,72.44) 70.89,72.23 70.95,72.17 v4(70.95,72.12) 71,72.12 71.12,72.24 v8(71.12,72.44) ; v1(78.69,74.73) 78.69,74.47 v8(78.74,74.42) ; 100.96,54.77 v3(100.87,54.68) ; 73.41,64.14 73.35,64.08 71.87,64.08 v3(71.49,63.7) ; v3(81.89,63.7) v3(81.89,63.3) v3(82.29,62.9) ; 57.36,66.94 60.02,66.94 ; 71.98,38.1 v8(72.11,38.1) ; v3(81.89,57.7) 82.1,57.49 v1(82.1,57.22) ; v3(72.69,60.5) 72.68,60.48 ; v4(60.08,53.01) 60.08,51.34 ; 57.36,64.6 59.89,64.6 ; v3(59.67,55.7) 58.9,54.94 57.22,54.94 v8(57.15,54.86) ; v4(75.95,72.44) 75.95,72.64 v8(75.82,72.77)